# Altium PCB second.PcbDoc (continued)
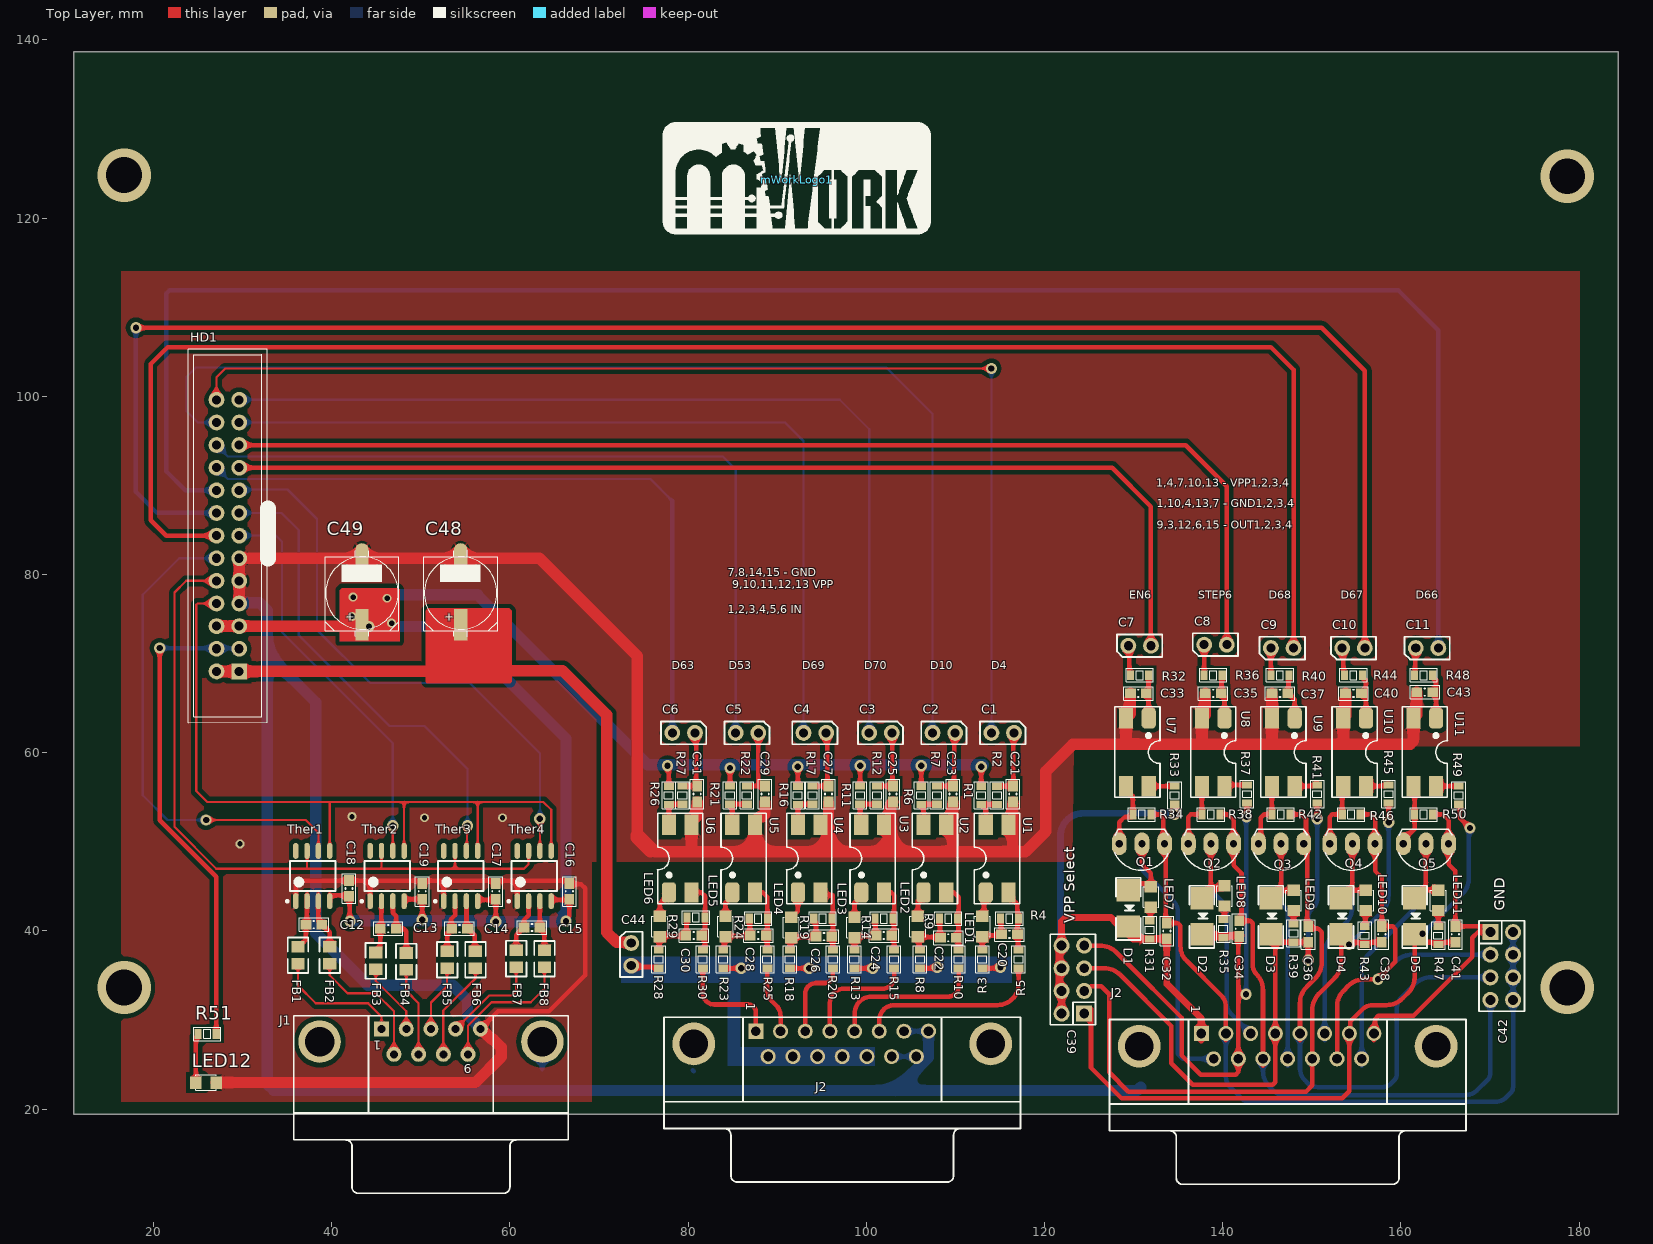
[diagram p0: Top Layer view]
## Footprints (in the part's own frame and the unit in brackets; to place one, negate y for a bottom-side part, rotate by r counter-clockwise, add the part's x,y. Pads: shape width x height; smd on the part's side, far side on the other; paste and mask are expansions set on the pad) (continued)

## Part data
C1 C2 C3 C4 C5 C6 C7 C8 C9 C10 C11: "WR-PHD 2.54 mm Angled Socket Header", Manufacturer="W¨¹rth Elektronik eiSos GmbH", partNo=613002143121, ComponentLink1 Description=Manufacturer, ComponentLink1URL=http://www.we-online.com, ComponentLink2 Description=Datasheet, ComponentLink2URL=http://katalog.we-online.de/em/datasheet/6130xx143121.pdf, Created by="Karrer Zheng", Created Date="29 March 2013", NoPins=02
C12 C13 C14 C15 C16 C17 C18 C19 C45: library part CN
C39 C42: "WR-PHD 2.54 mm Dual Socket Header", Manufacturer="W¨¹rth Elektronik eiSos GmbH", partNo=61300821821, ComponentLink1 Description=Manufacturer, ComponentLink1URL=http://www.we-online.com, ComponentLink2 Description=Datasheet, ComponentLink2URL=http://katalog.we-online.de/em/datasheet/6130xx21821.pdf, Created by="Karrer Zheng", Created Date="29 March 2013", NoPins=08
C44: library part JP2, "WR-PHD 2.54 mm Angled Socket Header", Manufacturer="W¨¹rth Elektronik eiSos GmbH", partNo=613002143121, ComponentLink1 Description=Manufacturer, ComponentLink1URL=http://www.we-online.com, ComponentLink2 Description=Datasheet, ComponentLink2URL=http://katalog.we-online.de/em/datasheet/6130xx143121.pdf, Created by="Karrer Zheng", Created Date="29 March 2013", NoPins=02
C48 C49: "Polarized Capacitor (Axial)", LatestRevisionDate=17-Jul-2002, LatestRevisionNote="Re-released for DXP Platform.", PackageReference=POLAR0.8, Published=8-Jun-2000, Publisher="Altium Limited"
D1 D2 D3 D4 D5: "Default Diode", Code - JEDEC=DO-214-AB, ComponentLink1Description="ES1J - STMBL", ComponentLink1URL=https://banlinhkien.vn/goods-8089-es1j-do214-diode-1a-600v-sma-es1j-.html, Published=8-Jun-2000, Publisher="Altium Limited", Revision="July-2002: Re-released for DXP Platform."
HD1: "IDC 13x2"
J1: library part "CON 9 Male", "Connector, DB9 R/A Through-hole Male", Max Current=3A, Category=Connector, Connector type=Header, Mounting Technology=Through-Hole, Pin Count=9, Status=Unreleased
J2 J2: library part DB15, "Receptacle Assembly, 15 Position, Right Angle", PackageDocument=O, DatasheetDocument=1-Sep-99, Gender=Receptacle, LatestRevisionDate=17-Jul-2002, LatestRevisionNote="Re-released for DXP Platform.", Orientation="Right Angle", PackageReference=788757, Positions=15, Published=15-Jun-2001, Publisher="Altium Limited"
LED1 LED2 LED3 LED4 LED5 LED6 LED7 LED8 LED9 LED10 LED11 LED12: library part "LED SMD"
Q1 Q2 Q3 Q4 Q5: "NPN 600mW, ECB"
R1 R2 R5 R6 R7 R10 R11 R12 R15 R16 R17 R20 R21 R22 R25 R26 R27 R30 R31 R32 R33 R34 R35 R36 R37 R38 R39 R40 R41 R42 R43 R44 R45 R46 R47 R48 R49 R50 R51: library part R
U1 U2 U3 U4 U5 U6 U7 U8 U9 U10 U11: "Single Opto"
Ther1 Ther2 Ther3 Ther4: ComponentLink1Description=ADUM1201, ComponentLink1URL=https://thegioiic.com/products/adum1201arz

## Via types
v1: diameter 1.27, hole 0.711, Top Layer to Bottom Layer, 33 vias
v2: diameter 1, hole 0.6, Top Layer to Bottom Layer, 8 vias
v3: diameter 6, hole 4, Top Layer to Bottom Layer, tented both sides, 4 vias

## Nets (pads, with @x,y where several pads share a name; then routed paths per layer and width w, separated by ;. In a path a pad name is that pad's centre, name@x,y a point inside that pad or via, vN(x,y) a via of type N, cw(c..) or ccw(c..) an arc to the next point about the centre after c; other vN are vias at no path point)
+5: HD1.3 HD1.4 R51.2 | length 55.2
  Top Layer w0.508: v1(20.701,71.755) 20.701,52.442 27.051,46.092 R51.2
  Bottom Layer w0.508: v1(20.701,71.755) 28.688,71.755 29.196,71.247 HD1.3
+12: C44.1 C48.1 HD1.1 HD1.2 | length 80.5
  Top Layer w1.27: HD1.2 HD1.1 54.02,69.133 54.471,69.584 C48.1@54.471,73.233 ; C48.1@54.471,73.348 C48.1 59.632,69.215 65.913,69.215 70.866,64.262 70.866,39.864 71.991,38.739 73.525,38.739 C44.1
CS_TC0: HD1.12 Ther1.6 | length 55.2
  Top Layer w0.254: v1(25.908,52.451) 37.096,52.451 38.512,51.035 Ther1.6@38.512,49.754
  Bottom Layer w0.254: v1(25.908,52.451) 21.59,52.451 18.796,55.245 18.796,77.724 22.905,81.833 HD1.12
CS_TC1: HD1.13 Ther2.6 | length 44.9
  Top Layer w0.254: Ther2.6@46.863,49.053 v1(46.863,51.816)
  Bottom Layer w0.254: HD1.13 33.737,84.373 34.417,83.693 34.417,73.533 46.863,61.087 v1(46.863,51.816)
CS_TC2: HD1.15 Ther3.6 | length 53.6
  Top Layer w0.254: Ther3.6@55.118,49.084 55.181,49.147 55.181,51.752 v1(55.245,51.816)
  Bottom Layer w0.254: HD1.15 34.372,86.913 36.322,84.963 36.322,73.152 46.482,62.992 50.419,62.992 55.245,58.166 v1(55.245,51.816)
CS_TC3: HD1.17 Ther4.6 | length 64.3
  Top Layer w0.254: Ther4.6@63.373,49.084 63.5,49.211 63.373,49.338 v1(63.373,52.578)
  Bottom Layer w0.254: HD1.17 29.704,89.535 35.052,89.535 38.354,86.233 38.354,73.787 44.323,67.818 55.499,67.818 63.373,59.944 v1(63.373,52.578)
D66: C11.2 HD1.18 | length 206.9
  Bottom Layer w0.508: HD1.18 23.577,89.453 21.463,91.567 21.463,111.589 21.761,111.887 159.734,111.887 164.211,107.41 C11.2
D67: C10.2 HD1.16 | length 199.5
  Top Layer w0.508: v1(18.034,107.696) 151.13,107.696 155.956,102.87 C10.2
  Bottom Layer w0.508: v1(18.034,107.696) 18.034,89.281 20.402,86.913 HD1.16
D68: C9.2 HD1.14 | length 187.1
  Top Layer w0.508: HD1.14 21.418,84.373 19.685,86.106 19.685,103.632 21.59,105.537 145.415,105.537 147.955,102.997 147.955,72.009 147.828,71.882 C9.2
D69: C4.2 HD1.23 | length 97
  Bottom Layer w0.254: HD1.23 90.887,97.073 92.964,94.996 C4.2
D70: C3.2 HD1.25 | length 106.2
  Bottom Layer w0.254: HD1.25 97.028,99.613 100.33,96.311 C3.2
EN6: C7.2 HD1.19 | length 119.8
  Top Layer w0.508: HD1.19 127.59,91.993 131.953,87.63 C7.2
GND: C16.1 C17.1 C18.1 C19.1 C21.1 C23.1 C25.1 C27.1 C29.1 C31.1 C33.1 C35.1 C37.1 C40.1 C43.1 C45.1 C46.1 C47.2 C48.2 C49.2 HD1.7 HD1.9 HD1.11 J1.5 J2.7@104.231,28.748 J2.8@106.989,28.753 J2.14@102.846,25.908 J2.15@105.616,25.908 LED12.2 Ther1.1 Ther2.1 Ther3.1 Ther4.1 U1.3 U2.3 U3.3 U4.3 U5.3 U6.3 U7.2 U8.2 U9.2 U10.2 U11.2 | length 567.8
  Top Layer w0.508: Ther1.1@35.972,44.104 35.99,44.122 35.99,45.134 36.515,45.659 C18.1@41.645,45.659 ; C18.1 44.323,45.659 ; Ther2.1@44.323,43.403 44.323,45.659 ; Ther3.1@52.578,43.434 52.578,45.659 ; J1.5 58.671,30.988 64.389,30.988 68.453,35.052 68.453,44.787 67.987,45.253 66.711,45.253 66.675,45.289 C16.1 66.675,45.363 66.379,45.659 60.833,45.659 ; Ther4.1@60.833,43.434 60.833,45.659 ; 44.323,45.659 52.578,45.659 ; 52.578,45.659 60.833,45.659
  Top Layer w1.27: LED12.2 56.134,22.987 59.037,25.89 59.037,26.942 58.139,27.84 57.961,27.84 56.799,29.002 J1.5 ; HD1.7 HD1.11 63.328,81.833 66.167,78.994 74.295,70.866 74.295,50.927 76.327,48.895 80.645,48.895 ; 74.193,50.743 74.193,50.458 75.755,48.895 ; C31.1 81.026,52.921 80.391,52.286 U6.3 80.391,49.149 80.645,48.895 ; C29.1 88.646,53.13 88.348,52.832 88.049,52.832 87.503,52.286 U5.3 87.503,48.895 ; C27.1 95.758,48.895 ; C25.1 102.743,54.229 102.743,48.895 ; C23.1 109.728,49.276 109.347,48.895 ; C21.1 116.459,49.149 116.205,48.895 ; C33.1 129.653,64.375 U7.2 129.159,61.258 129.457,60.96 ; C35.1 138.049,64.262 U8.2 137.668,61.319 137.309,60.96 ; C37.1 U9.2 145.542,61.341 145.161,60.96 ; C40.1 153.797,64.135 U10.2 153.543,61.468 153.035,60.96 ; C43.1 161.798,64.262 U11.2 161.417,61.341 161.036,60.96 153.035,60.96 ; 80.645,48.895 87.503,48.895 ; 87.503,48.895 95.758,48.895 ; 95.758,48.895 102.743,48.895 ; 102.743,48.895 109.347,48.895 ; 109.347,48.895 116.205,48.895 ; 116.205,48.895 117.856,48.895 120.142,51.181 120.142,57.912 123.19,60.96 129.457,60.96 ; 129.457,60.96 137.309,60.96 ; 137.309,60.96 145.161,60.96 ; 145.161,60.96 153.035,60.96
  Bottom Layer w0.508: J2.14@102.846,25.908 105.616,25.908 106.338,25.185 ; J2.7@104.231,28.748 104.233,28.751 106.986,28.751 J2.8@106.989,28.753
  Bottom Layer w1.27: HD1.7 29.72,76.851 31.893,76.851 32.766,75.977 32.766,71.12 ; J1.5 56.685,29.116 55.245,30.556 55.245,32.258 53.594,33.909 44.069,33.909 38.227,39.751 38.227,65.659 32.766,71.12 ; J2.8@106.989,28.753 106.989,25.836 106.338,25.185 103.251,22.098 ; C47.2 130.429,22.098 103.251,22.098 ; 32.766,71.12 32.766,22.842 33.51,22.098 103.251,22.098
  other v2: 29.718,49.784 50.419,52.705 59.182,52.705 42.291,52.832
GND_O1: C32.1 C42.5 C42.6 C42.7 C42.8 J2.2@140.371,28.494 Q1.1 R34.1 | length 86
  Top Layer w0.508: R34.1 133.052,53.086 133.35,52.788 133.35,49.911 133.604,49.657 133.604,41.021 C32.1 134.957,40.894 135.255,40.596 135.255,38.326 ccw(c137.64,38.326) 135.954,36.64 139.891,32.703 cw(c138.731,31.543) 140.371,31.543 J2.2@140.371,28.494 ; J2.2@140.333,28.494 140.333,27.77 J2.2@140.371,27.732
  Bottom Layer w0.508: J2.2@140.371,27.732 140.371,23.622 ccw(c141.991,23.622) 140.845,22.477 ; 140.845,22.477 142.113,21.209 ccw(c143.033,22.129) 143.033,20.828 170.605,20.828 ccw(c170.605,22.562) 171.831,21.336 172.339,21.844 ccw(c171.726,22.457) 172.593,22.457 C42.5 C42.6 C42.7 C42.8
GND_O2: C34.1 C42.4 J2.11@144.526,25.654 Q2.1 R38.1 | length 68.9
  Top Layer w0.508: R38.1 140.589,53.086 141.224,52.451 141.224,47.371 142.113,46.482 142.113,41.148 143.085,41.148 143.383,40.85 143.383,36.189 ccw(c144.901,36.189) 143.827,35.116 ; 143.827,35.115 cw(c142.139,33.428) 144.526,33.428 144.526,25.654 J2.11@144.526,24.892
  Bottom Layer w0.508: J2.11@144.526,25.654 144.526,24.293 ccw(c147.066,24.293) 145.27,22.497 145.669,22.098 ccw(c146.895,23.324) 146.895,21.59 167.303,21.59 ccw(c167.303,23.324) 168.529,22.098 169.736,23.304 ccw(c168.969,24.071) 170.053,24.071 C42.4
GND_O3: C36.1 C42.3 J2.5@148.681,28.494 Q3.1 R42.1 | length 64.4
  Top Layer w0.508: R42.1 148.844,53.086 149.352,52.578 149.352,49.784 149.479,49.657 149.479,40.59 149.81,40.259 150.749,40.259 151.13,39.878 151.13,36.485 cw(c148.59,36.485) 150.386,34.689 149.425,33.728 ccw(c151.221,31.932) 148.681,31.932 148.681,28.494 J2.5@148.681,27.732
  Bottom Layer w0.508: J2.5@148.681,27.732 148.681,24.511 ccw(c150.434,24.511) 149.194,23.272 ; 149.194,23.272 149.495,22.971 ccw(c150.682,24.157) 150.682,22.479 157.957,22.479 ccw(c157.957,23.78) 158.877,22.86 159.258,23.241 ccw(c158.616,23.883) 159.524,23.883 159.524,31.225 cw(c161.434,31.225) 160.084,32.575 161.562,34.054 cw(c163.358,32.258) 163.358,34.798 C42.3
GND_O4: C38.1 C42.2 J2.14@152.836,25.654 Q4.1 R46.1 | length 48.1
  Top Layer w0.508: J2.14@152.836,25.654 152.836,31.515 cw(c155.376,31.515) 153.58,33.311 154.114,33.845 cw(c155.91,32.049) 155.91,34.589 v1(157.435,34.589) 159.385,36.539 159.385,40.215 159.087,40.513 C38.1 157.861,45.974 157.099,46.736 Q4.1 157.099,52.578 156.591,53.086 R46.1
  Bottom Layer w0.508: v1(157.435,34.589) 159.44,36.594 cw(c161.236,34.798) 160.565,37.248 cw(c161.236,34.798) 161.236,37.338 C42.2
GND_O5: C41.1 C42.1 J2.8@156.979,28.499 Q5.1 R50.1 | length 39.2
  Top Layer w0.508: J2.8@156.979,27.737 156.979,28.499 157.106,28.626 157.106,30.106 157.48,30.48 161.417,30.48 168.024,37.087 168.024,39.246 168.656,39.878 C42.1 170.053,39.883 169.423,40.513 C41.1 166.116,46.736 165.354,47.498 165.354,50.532 165.354,52.451 164.719,53.086 R50.1
IO_D4: C1.2 HD1.26 | length 130.8
  Top Layer w0.254: HD1.26 27.082,102.139 28.067,103.124 v1(114.046,103.124)
  Bottom Layer w0.254: C1.2 v1(114.046,103.124)
IO_D10: C2.2 HD1.24 | length 129.9
  Bottom Layer w0.254: HD1.24 27.001,97.155 26.919,97.073 24.974,97.073 23.749,98.298 23.749,102.213 24.787,103.251 102.235,103.251 107.442,98.044 C2.2
IO_D53: C5.2 HD1.22 | length 89
  Bottom Layer w0.254: HD1.22 28.352,93.263 83.88,93.263 85.344,91.799 C5.2
IO_D63: C6.2 HD1.20 | length 78.7
  Bottom Layer w0.254: HD1.20 28.352,90.723 75.774,90.723 78.232,88.265
  Bottom Layer w0.508: C6.2 78.232,88.265
MISO: HD1.10 Ther1.7 Ther2.7 Ther3.7 Ther4.7 | length 82
  Top Layer w0.254: HD1.10 23.667,79.293 22.352,77.978 22.352,51.689 27.051,46.99 37.211,46.99 ; Ther1.7@37.242,49.754 37.242,47.021 37.211,46.99 ; Ther2.7@45.593,49.053 45.593,47.117 45.466,46.99 ; Ther3.7@53.848,49.084 53.848,46.99 ; Ther4.7@62.103,49.084 62.103,47.498 61.595,46.99 53.848,46.99 ; 37.211,46.99 45.466,46.99 ; 45.466,46.99 53.848,46.99
NetC1_1: C1.1 C21.2 R2.1 | length 7.8
  Top Layer w0.508: R2.1 114.688,56.254 116.452,56.254 C21.2 116.522,56.325 116.522,62.167 C1.1
NetC2_1: C2.1 C23.2 R7.1 | length 7.9
  Top Layer w0.508: R7.1 C23.2 109.855,56.388 109.855,62.103 C2.1
NetC3_1: C3.1 C25.2 R12.1 | length 7.8
  Top Layer w0.508: R12.1 C25.2 102.933,56.325 102.933,62.167 C3.1
NetC4_1: C4.1 C27.2 R17.1 | length 7.9
  Top Layer w0.508: R17.1 C27.2 95.631,56.388 95.631,62.103 C4.1
NetC5_1: C5.1 C29.2 R22.1 | length 8.1
  Top Layer w0.508: R22.1 87.63,56.261 ; C5.1 87.884,56.515 87.63,56.261 ; C29.2 87.63,56.261
NetC6_1: C6.1 C31.2 R27.1 | length 7.7
  Top Layer w0.508: R27.1 C31.2 80.899,56.388 80.899,62.103 C6.1
NetC7_1: C7.1 R32.1 | length 3.4
  Top Layer w0.508: C7.1 129.54,71.882 129.54,68.834 R32.1
NetC8_1: C8.1 R36.1 | length 3.4
  Top Layer w0.508: R36.1 C8.1
NetC9_1: C9.1 R40.1 | length 3
  Top Layer w0.508: R40.1 C9.1
NetC10_1: C10.1 R44.1 | length 3.2
  Top Layer w0.508: C10.1 153.543,71.628 153.543,68.834 R44.1
NetC11_1: C11.1 R48.1 | length 3.1
  Top Layer w0.508: R48.1 161.607,68.77 161.607,71.691 C11.1
NetC12_1: C12.1 FB2.2 Ther1.3 | length 6.5
  Top Layer w0.508: Ther1.3@38.512,44.104 38.512,41.037 38.843,40.706 C12.1 38.943,40.706 39.782,39.867 FB2.2
NetC12_2: C12.2 FB1.2 Ther1.2 | length 6.4
  Top Layer w0.508: FB1.2 36.326,38.227 37.115,39.016 C12.2 37.225,40.815 37.225,44.086 Ther1.2@37.242,44.104
NetC13_1: C13.1 FB4.2 Ther2.3 | length 7
  Top Layer w0.508: Ther2.3@46.863,43.403 46.863,42.037 47.244,41.656 C13.1 48.089,40.259 48.387,39.961 FB4.2
NetC13_2: C13.2 FB3.2 Ther2.2 | length 6.1
  Top Layer w0.508: FB3.2 45.058,37.587 45.466,37.995 C13.2 45.575,40.368 45.575,43.385 Ther2.2@45.593,43.403
NetC14_1: C14.1 FB6.2 Ther3.3 | length 6.2
  Top Layer w0.508: Ther3.3@55.118,43.434 55.136,43.416 55.136,40.368 C14.1 55.295,40.259 56.057,39.497 56.057,37.791 FB6.2
NetC14_2: C14.2 FB5.2 Ther3.2 | length 6.1
  Top Layer w0.508: FB5.2 52.959,39.801 53.417,40.259 53.417,41.352 53.848,41.783 Ther3.2@53.848,43.434
NetC15_1: C15.1 FB8.2 Ther4.3 | length 5.8
  Top Layer w0.508: Ther4.3@63.373,43.434 C15.1 63.423,40.386 63.719,40.09 63.719,40.04 63.881,39.878 FB8.2
NetC15_2: C15.2 FB7.2 Ther4.2 | length 6.4
  Top Layer w0.508: FB7.2 60.706,39.547 61.468,40.309 61.468,40.513 C15.2 61.595,41.275 62.103,41.783 Ther4.2@62.103,43.434
NetC20_1: C20.1 R4.2 R5.2 U1.2 | length 7
  Top Layer w0.508: U1.2 115.951,43.98 116.967,42.964 C20.1 117.03,39.56 117.03,37.91 R5.2
NetC20_2: C20.2 LED1.1 R3.2 R4.1 | length 5.6
  Top Layer w0.508: R3.2 LED1.1 113.157,39.497 115.062,39.497 115.126,39.56 115.126,41.338 R4.1
NetC22_1: C22.1 R9.2 R10.2 U2.2 | length 7.6
  Top Layer w0.508: U2.2 109.811,44.323 110.363,43.771 R10.2
NetC22_2: C22.2 LED2.1 R8.2 R9.1 | length 6.3
  Top Layer w0.508: LED2.1 LED2.1@105.855,39.306 ; R8.2 105.918,37.973 105.918,39.243 LED2.1@105.855,39.306 ; R9.1 108.267,41.338 C22.2@108.267,39.306 ; C22.2 C22.2@108.267,39.306 ; LED2.1@105.855,39.306 C22.2@108.267,39.306
NetC24_1: C24.1 R14.2 R15.2 U3.2 | length 7.4
  Top Layer w0.508: U3.2 102.826,44.323 103.124,44.025 R15.2
NetC24_2: C24.2 LED3.1 R13.2 R14.1 | length 5.8
  Top Layer w0.508: R13.2 LED3.1 98.806,39.37 100.965,39.37 101.028,39.433 101.028,41.338 R14.1
NetC26_1: C26.1 R19.2 R20.2 U4.2 | length 7.7
  Top Layer w0.508: U4.2 95.167,44.025 96.266,44.025 R20.2
NetC26_2: C26.2 LED4.1 R18.2 R19.1 | length 6.4
  Top Layer w0.508: R18.2 91.504,37.91 91.504,39.179 LED4.1 91.63,39.306 94.297,39.306 C26.2 94.361,40.998 94.107,41.252 R19.1
NetC28_1: C28.1 R24.2 R25.2 U5.2 | length 7.7
  Top Layer w0.508: U5.2 87.63,44.196 87.757,44.323 88.392,44.323 88.9,43.815 R24.2 R25.2
NetC28_2: C28.2 LED5.1 R23.2 R24.1 | length 6.4
  Top Layer w0.508: R23.2 84.074,37.973 84.074,39.243 LED5.1 84.264,39.433 86.931,39.433 C28.2 86.931,39.56 86.931,41.338 R24.1
NetC30_1: C30.1 R29.2 R30.2 U6.2 | length 7.9
  Top Layer w0.508: U6.2 81.49,44.323 81.915,43.898 R29.2 81.915,37.992 81.769,37.846 R30.2
NetC30_2: C30.2 LED6.1 R28.2 R29.1 | length 6.6
  Top Layer w0.508: R28.2 76.772,37.91 76.772,39.306 LED6.1 76.898,39.433 79.692,39.433 C30.2 79.819,39.56 79.819,41.465 R29.1
NetC33_2: C33.2 R32.2 U7.1 | length 4.8
  Top Layer w0.508: U7.1 R32.2
NetC35_2: C35.2 R36.2 U8.1 | length 5.1
  Top Layer w0.508: R36.2 139.891,68.644 139.891,66.739 C35.2 139.877,66.675 140.173,66.379 140.173,66.329 140.208,66.294 U8.1
NetC37_2: C37.2 R40.2 U9.1 | length 5.2
  Top Layer w0.508: R40.2 147.383,68.644 147.383,66.739 C37.2 147.37,66.675 148.082,65.963 U9.1
NetC40_2: C40.2 R44.2 U10.1 | length 5
  Top Layer w0.508: R44.2 155.702,68.557 156.083,68.176 U10.1
NetC43_2: C43.2 R48.2 U11.1 | length 5
  Top Layer w0.508: R48.2 163.576,68.557 163.957,68.176 U11.1
NetC44_2: C44.2 J2.9@88.996,25.908 J2.10@91.766,25.908 J2.11@94.536,25.908 J2.12@97.306,25.908 J2.13@100.076,25.908 R3.1 R8.1 R13.1 R18.1 R23.1 R28.1 | length 80.9
  Top Layer w0.508: C44.2 73.766,35.958 76.564,35.958 R28.1 R28.1@76.581,35.687 ; R23.1 v1(85.979,35.814) ; R18.1 v1(93.599,35.814) ; R13.1 v1(100.711,35.814) ; R8.1 v1@107.617,35.814 ; R3.1 114.935,35.814 v1(115.062,35.941)
  Bottom Layer w0.508: C44.2@72.86,35.721 C44.2@73.622,35.721
  Bottom Layer w1.27: C44.2 v1@85.979,36.102 ; J2.13@100.076,25.908 97.306,25.908 94.536,25.908 91.766,25.908 88.996,25.908 85.598,25.908 85.09,26.416 85.09,34.925 86.233,36.068 93.345,36.068 v1(93.599,35.814) 93.853,36.068 100.457,36.068 v1(100.711,35.814) ; v1@100.711,36.102 107.95,36.102 114.901,36.102 v1(115.062,35.941)
  other v1: 107.95,35.941
NetC45_2: C45.2 J1.10 | length 4
  Bottom Layer w0.508: C45.2 63.634,24.518 63.634,27.576 J1.10
  Bottom Layer w1.27: J1.10@62.696,27.582 J1.10
NetC46_2: C46.2 J2.16@80.646,27.328 | length 0.4
  Bottom Layer w0.508: C46.2@80.506,24.396 C46.2 ; J2.16@80.507,27.19 J2.16@80.646,27.328
NetC47_1: C47.1 J2.16@130.636,27.074
NetFB1_1: FB1.1 J1.1 | length 14.6
  Top Layer w0.254: FB1.1 36.226,33.878 38.227,31.877 44.093,31.877 45.605,30.365 J1.1
NetFB2_1: FB2.1 J1.6 | length 15
  Top Layer w0.254: FB2.1 39.782,35.021 41.783,33.02 44.958,33.02 46.99,30.988 J1.6
NetFB3_1: FB3.1 J1.2 | length 8.1
  Top Layer w0.254: FB3.1 44.958,34.417 48.375,31 J1.2
NetFB4_1: FB4.1 J1.7 | length 10
  Top Layer w0.254: FB4.1 48.387,33.274 49.76,31.901 J1.7
NetFB5_1: FB5.1 J1.3 | length 7.6
  Top Layer w0.254: J1.3 51.145,31.968 52.959,33.782 FB5.1
NetFB6_1: FB6.1 J1.8 | length 11.1
  Top Layer w0.254: J1.8 52.53,31.067 56.134,34.671 FB6.1
NetFB7_1: FB7.1 J1.4 | length 11.3
  Top Layer w0.254: J1.4 57.679,32.766 60.325,32.766 60.706,33.147 FB7.1
NetFB8_1: FB8.1 J1.9 | length 15.9
  Top Layer w0.254: J1.9 55.3,29.351 57.953,32.004 62.357,32.004 63.881,33.528 FB8.1
NetJ2_1: J2.1@87.611,28.748 R30.1 | length 12.1
  Top Layer w0.508: R30.1 81.661,33.02 ccw(c82.931,33.02) 82.931,31.75 86.741,31.75 cw(c86.741,30.88) 87.611,30.88 J2.1@87.611,28.748
NetJ2_2: J2.2@90.381,28.748 R25.1 | length 7.5
  Top Layer w0.508: R25.1 88.9,33.347 ccw(c90.61,33.347) 89.4,32.139 89.902,31.637 cw(c88.744,30.48) 90.381,30.48 J2.2@90.381,28.748
NetJ2_3: J2.3@93.151,28.748 R20.1 | length 9.3
  Top Layer w0.508: J2.3@93.151,28.748 93.151,32.953 cw(c94.361,32.953) 94.361,34.163 95.377,34.163 ccw(c95.377,35.052) 96.266,35.052 R20.1
NetJ2_4: J2.4@95.921,28.748 R15.1 | length 13.1
  Top Layer w0.508: J2.4@95.921,28.748 95.921,32.004 cw(c97.445,32.004) 96.107,32.734 cw(c97.445,32.004) 96.715,33.342 cw(c97.445,32.004) 97.445,33.528 101.854,33.528 ccw(c101.854,34.798) 102.326,33.619 ccw(c101.854,34.798) 103.033,34.326 ccw(c101.854,34.798) 103.124,34.798 R15.1
NetJ2_5: J2.5@98.691,28.748 R10.1 | length 17.4
  Top Layer w0.508: J2.5@98.691,28.748 98.691,30.746 cw(c100.584,30.746) 100.584,32.639 109.22,32.639 ccw(c109.22,33.782) 109.355,32.647 ccw(c109.22,33.782) 110.355,33.647 ccw(c109.22,33.782) 110.363,33.782 R10.1
NetJ2_6: J2.6@101.461,28.748 R5.1 | length 21
  Top Layer w0.508: J2.6@101.461,28.748 101.473,28.76 101.461,28.772 101.461,29.972 cw(c103.176,29.972) 101.572,30.579 cw(c103.176,29.972) 102.568,31.575 cw(c103.176,29.972) 103.176,31.686 114.745,31.686 ccw(c114.745,34.036) 117.094,34.036 R5.1
NetLED1_2: LED1.2 U1.1 | length 2.8
  Top Layer w0.508: LED1.2 113.221,41.846 113.221,44.133 U1.1
NetLED2_2: LED2.2 U2.1 | length 2.9
  Top Layer w0.508: LED2.2 105.791,43.266 106.426,43.901 U2.1
NetLED3_2: LED3.2 U3.1 | length 3.1
  Top Layer w0.508: LED3.2 98.679,43.139 99.441,43.901 U3.1
NetLED4_2: LED4.2 U4.1 | length 3.1
  Top Layer w0.508: LED4.2 91.63,41.529 92.329,42.227 U4.1
NetLED5_2: LED5.2 U5.1 | length 3
  Top Layer w0.508: LED5.2 84.201,43.139 84.963,43.901 U5.1
NetLED6_2: LED6.2 U6.1 | length 3.1
  Top Layer w0.508: LED6.2 76.835,43.053 77.133,43.351 77.143,43.351 77.851,44.059 U6.1
NetLED7_1: LED7.1 R31.1 | length 1.6
  Top Layer w0.508: R31.1 131.889,41.212 131.889,42.608 LED7.1
NetLED8_1: LED8.1 R35.1 | length 1.5
  Top Layer w0.508: R35.1@140.208,41.275 LED8.1
NetLED9_1: LED9.1 R39.1 | length 1.5
  Top Layer w0.508: R39.1 LED9.1
NetLED10_1: LED10.1 R43.1 | length 1.8
  Top Layer w0.508: R43.1 156.019,40.576 156.019,42.227 LED10.1
NetLED11_1: LED11.1 R47.1 | length 1.8
  Top Layer w0.508: R47.1 LED11.1
NetLED12_1: LED12.1 R51.1 | length 5.6
  Top Layer w0.508: LED12.1 24.765,28.044 25.019,28.298 R51.1
NetQ1_3: Q1.3 R34.2 U7.3 | length 7.9
  Top Layer w0.508: Q1.3 128.397,52.197 128.99,52.79 129.775,52.79 129.921,52.936 R34.2 129.921,55.156 129.159,55.918 U7.3
NetQ2_3: Q2.3 R38.2 U8.3 | length 7.8
  Top Layer w0.508: Q2.3 136.144,52.788 136.442,53.086 R38.2 U8.3
NetQ3_3: Q3.3 R42.2 U9.3 | length 7.5
  Top Layer w0.508: Q3.3@144.272,49.784 144.272,52.705 144.653,53.086 R42.2 145.522,56.241 U9.3
NetQ4_3: Q4.3 R46.2 U10.3 | length 7.8
  Top Layer w0.508: Q4.3 152.019,52.788 152.317,53.086 R46.2 153.416,56.134 U10.3
NetQ5_3: Q5.3 R50.2 U11.3 | length 7.1
  Top Layer w0.508: Q5.3 160.274,50.216 161.544,51.486 R50.2 161.544,56.134 U11.3
NetR1_2: R1.2 R2.2 U1.4 | length 4.2
  Top Layer w0.508: R1.2 R1.2@113.053,54.215 ; U1.4 113.411,53.857 R1.2@113.053,54.215 ; R2.2 R1.2@113.053,54.215
NetR6_2: R6.2 R7.2 U2.4 | length 4.2
  Top Layer w0.508: U2.4 106.426,54.069 106.28,54.215 R6.2 106.179,54.222 107.943,54.222 R7.2
NetR11_2: R11.2 R12.2 U3.4 | length 4.2
  Top Layer w0.508: U3.4 99.314,52.07 R11.2 R12.2
NetR16_2: R16.2 R17.2 U4.4 | length 4.1
  Top Layer w0.508: U4.4 R16.2 R17.2@94.107,54.215
NetR21_2: R21.2 R22.2 U5.4 | length 4.1
  Top Layer w0.508: U5.4 84.963,54.083 84.817,54.229 R22.2
NetR26_2: R26.2 R27.2 U6.4 | length 3.8
  Top Layer w0.508: U6.4 R26.2 77.858,54.222 79.368,54.222 R27.2
NetR33_1: R33.1 U7.4 | length 3.7
  Top Layer w0.508: U7.4@132.245,56.807 U7.4 R33.1
NetR37_1: R37.1 U8.4 | length 2.6
  Top Layer w0.508: U8.4 140.335,56.388 R37.1
NetR41_1: R41.1 U9.4 | length 2.7
  Top Layer w0.508: U9.4 150.091,56.261 150.472,56.642 R41.1@150.622,56.642
NetR45_1: R45.1 U10.4 | length 2.6
  Top Layer w0.508: U10.4 158.219,56.261 158.473,56.515 R45.1@158.623,56.515
NetR49_1: R49.1 U11.4 | length 2.5
  Top Layer w0.508: U11.4 R49.1
OUT1: D1.1 J2.9@138.986,25.654 LED7.2 Q1.2 | length 38.8
  Top Layer w0.508: D1.1@129.413,43.688 129.413,45.041 129.711,45.339 131.572,45.339 LED7.2 131.953,46.482 130.937,47.498 Q1.2
  Bottom Layer w0.508: Q1.2 130.937,47.222 ccw(c131.804,47.222) 131.19,46.61 134.493,43.307 cw(c133.362,42.176) 134.962,42.176 134.962,26.201 135.509,25.654 J2.9@138.986,25.654
OUT2: D2.1 J2.3@143.141,28.494 LED8.2 Q2.2 | length 32.6
  Top Layer w0.508: D2.1 137.688,43.688 138.684,44.684 Q2.2
  Top Layer w0.762: D2.1@137.688,43.688 137.718,43.688 138.861,44.831 139.954,44.831 LED8.2
  Bottom Layer w0.508: Q2.2 138.684,45.026 ccw(c139.768,45.026) 139.002,44.26 140.018,43.243 cw(c138.944,42.17) 140.462,42.17 140.462,31.877 ccw(c142.162,31.877) 140.96,30.675 J2.3@143.141,28.494
OUT3: D3.1 J2.12@147.296,25.654 LED9.2 Q3.2 | length 33.3
  Top Layer w0.508: D3.1 146.304,44.577 D3.1@146.354,44.577 ; Q3.2 146.558,44.781 D3.1@146.354,44.577 ; LED9.2 D3.1@146.354,44.577
  Bottom Layer w0.508: Q3.2 146.558,43.412 ccw(c147.425,43.412) 146.811,42.8 147.066,42.545 cw(c146.511,41.99) 147.296,41.99 147.296,25.654 J2.12@147.296,24.892
OUT4: D4.1 J2.6@151.451,28.494 LED10.2 Q4.2 | length 31.6
  Top Layer w0.508: D4.1 153.339,43.688 D4.1@154.228,44.577 ; Q4.2 154.559,44.908 D4.1@154.228,44.577 ; LED10.2 D4.1@154.228,44.577
  Bottom Layer w0.508: J2.6@151.451,27.732 151.451,28.494 151.451,37.496 cw(c153.991,37.496) 152.195,39.292 153.815,40.912 ccw(c152.019,42.708) 154.559,42.708 Q4.2
OUT5: D5.1 J2.15@155.606,25.654 LED11.2 Q5.2 | length 36.9
  Top Layer w0.508: D5.1 162.54,44.684 162.897,44.684 ; Q5.2 162.814,44.767 162.897,44.684 ; LED11.2@163.766,45.021 163.429,44.684 162.897,44.684 ; LED11.2 163.005,44.577 162.897,44.684
  Bottom Layer w0.508: J2.15@155.606,24.892 155.606,25.654 155.606,35.555 cw(c158.146,35.555) 156.35,37.351 162.07,43.071 ccw(c160.274,44.867) 162.814,44.867 Q5.2
SCK: HD1.8 Ther1.5 Ther2.5 Ther3.5 Ther4.5 | length 84.2
  Top Layer w0.254: HD1.8 26.91,76.581 26.738,76.753 24.959,76.753 24.81,76.605 24.81,55.708 26.035,54.483 39.751,54.483 ; Ther1.5@39.782,49.754 39.782,54.452 39.751,54.483 ; Ther2.5@48.133,49.053 48.133,54.483 ; Ther3.5@56.388,49.084 56.388,54.483 ; Ther4.5@64.643,49.084 64.643,53.594 63.754,54.483 56.388,54.483 ; 39.751,54.483 48.133,54.483 ; 48.133,54.483 56.388,54.483
STEP6: C8.2 HD1.21 | length 130.5
  Top Layer w0.508: HD1.21 135.845,94.533 140.462,89.916 C8.2
VCC: C16.2 C17.2 C18.2 C19.2 C49.1 HD1.5 HD1.6 R1.1 R6.1 R11.1 R16.1 R21.1 R26.1 Ther1.4 Ther2.4 Ther3.4 Ther4.4 | length 200.4
  Top Layer w0.508: Ther1.4@39.782,44.104 39.782,44.035 39.825,43.993 41.83,43.993 C18.2 42.005,43.817 42.005,41.15 v1(42.068,41.087) ; C49.1@44.069,74.041 v1(44.196,74.168) ; Ther2.4@48.133,43.403 48.133,43.519 48.175,43.561 C19.2 v1(50.165,41.275) ; Ther3.4@56.388,43.434 56.388,43.455 56.43,43.497 58.356,43.497 C17.2 v1(58.42,41.021) ; Ther4.4@64.643,43.434 64.643,43.455 64.685,43.497 66.611,43.497 C16.2 66.675,41.67 ; R26.1 v1@77.851,58.087 ; R21.1 v1(84.709,58.293) ; R16.1 v1(92.329,58.42) ; R11.1 v1(99.314,58.547) ; R6.1 v1(106.172,58.547) ; R1.1 v1(112.903,58.42)
  Top Layer w1.27: HD1.6 HD1.5 43.242,74.213 C49.1
  Bottom Layer w0.508: HD1.6 27.255,74.041 HD1.6@27.382,74.168 ; v1(50.165,41.275) 50.285,41.155 v1@50.546,40.894
  Bottom Layer w1.27: v1(42.068,41.087) 42.137,41.155 50.285,41.155 58.286,41.155 v1(58.42,41.021) 65.216,41.021 66.294,42.099 ; v1(66.294,41.083) 66.294,42.099 ; v1(112.903,58.42) 113.146,58.663 75.449,58.663 56.388,77.724 46.736,77.724 44.196,75.184 v1(44.196,74.168) 53.721,74.168 66.294,61.595 66.294,42.099
  other v1: 77.686,58.547
  other v2: 46.736,74.549 42.291,75.311 46.228,77.343 42.418,77.47
VCC_O1: C32.2 C39.5 C39.6 C39.7 C39.8 D1.2 J2.1@137.601,28.494 R31.2 R33.2 | length 63.9
  Top Layer w0.762: C39.8 C39.7 121.76,33.434 121.76,34.032 121.666,34.126 121.666,35.328 121.92,35.582 C39.6 121.76,35.974 121.76,36.572 121.666,36.666 121.666,37.868 121.92,38.122 C39.5 ; C39.5@121.92,38.717 121.92,41.083 122.366,41.529 127.458,41.529 129.363,39.624 129.413,39.624 129.921,39.116 R31.2 C32.2 133.781,39.116 133.562,38.897 133.731,38.897 133.731,34.036 137.601,30.166 137.601,28.494 J2.1@137.601,27.732 ; v1(134.62,53.086) R33.2
  Bottom Layer w0.762: C39.5@121.793,38.904 121.793,50.673 cw(c124.333,50.673) 124.333,53.213 v1@134.62,53.213
VCC_O2: C34.2 C39.4 D2.2 J2.10@141.756,25.654 R35.2 R37.2 | length 67.6
  Top Layer w0.508: C39.4 124.968,38.354 126.264,38.354 cw(c126.264,35.814) 128.06,37.61 129.057,36.612 135.382,30.288 135.382,26.035 137.541,23.876 141.458,23.876 141.756,24.174 141.756,25.654 141.756,32.893 ; C34.2@141.732,39.116 141.756,39.092 141.756,32.893 ; v1(142.621,32.893) 141.756,32.893 ; v1(142.672,52.82) 142.748,52.896 R37.2
  Top Layer w0.762: D2.2 137.814,39.478 R35.2@140.208,39.478 ; R35.2@140.208,39.262 140.377,39.262 140.593,39.478 C34.2@141.713,39.478 ; C34.2@141.84,39.478 C34.2@142.094,39.478
  Bottom Layer w0.508: v1(142.621,32.893) 142.621,52.769 v1(142.672,52.82)
VCC_O3: C36.2 C39.3 D3.2 J2.4@145.911,28.494 R39.2 R41.2 | length 70.1
  Top Layer w0.508: C39.3 126.71,35.814 cw(c126.71,33.274) 127.902,35.517 cw(c126.71,33.274) 128.506,35.07 134.239,29.337 134.239,25.146 136.652,22.733 145.613,22.733 145.911,23.031 145.911,28.494 145.911,38.747 D3.2@145.225,39.433 ; D3.2 146.304,38.735 R39.2 C36.2@149.098,38.735 ; v1(149.606,36.703) 149.606,37.669 149.604,37.671 149.604,38.733 C36.2 ; v1(150.622,52.578) R41.2
  Bottom Layer w0.508: v1(149.606,36.703) 149.606,41.636 cw(c150.574,41.636) 149.889,42.32 150.173,42.604 ccw(c149.089,43.688) 150.622,43.688 v1(150.622,52.578)
VCC_O4: C38.2 C39.2 D4.2 J2.13@150.066,25.654 R43.2 R45.2 | length 75.8
  Top Layer w0.508: 125.222,33.788 126.365,33.788 127.254,32.899 127.254,24.13 129.413,21.971 149.352,21.971 150.066,22.685 150.066,24.734 149.987,24.813 150.066,24.892 150.066,25.654 150.066,31.158 cw(c152.606,31.158) 150.81,32.954 152.545,34.689 ccw(c150.749,36.485) 153.289,36.485 D4.2 154.178,38.735 C38.2 ; v1(158.623,52.197) R45.2
  Bottom Layer w0.508: v1(154.178,38.481) 157.879,42.182 ccw(c156.083,43.978) 158.623,43.978 v1(158.623,52.197)
VCC_O5: C39.1 C41.2 D5.2 J2.7@154.221,28.494 R47.2 R49.2 | length 81.9
  Top Layer w0.508: C39.1@125.222,31.248 125.222,24.638 128.651,21.209 153.416,21.209 154.221,22.014 154.221,28.494 154.307,28.58 154.307,29.845 155.64,31.177 cw(c156.866,29.951) 156.866,31.685 158.395,31.685 ccw(c158.395,34.225) 160.191,32.429 160.8,33.038 ccw(c159.004,34.834) 161.544,34.834 D5.2 D5.2@161.956,39.212 ; v1(162.433,39.689) 162.433,38.735 C41.2 ; R49.2 166.624,54.102 166.624,52.705 v1(167.767,51.562)
  Bottom Layer w0.508: v1(162.433,39.689) 166.896,44.152 ccw(c165.1,45.948) 167.64,45.948 v1@167.64,51.5
pads on no net: J1.11 J2.17 Ther1.8 Ther2.8 Ther3.8 Ther4.8
copper on no net:
  other v3: 16.7,33.655 178.689,33.655 178.689,124.714 16.7,124.841

## Polygon pours and split planes (outlines as drawn)
GND on Bottom Layer "GND_L02_P000" (solid, remove dead copper, pour order 0): 16.256,21.336 69.088,21.336 69.088,48.26 119.159,48.26 119.34,61.214 179.982,61.214 179.982,113.919 16.256,113.919
GND on Top Layer "GND_L01_P001" (solid, remove dead copper, pour order 1): 16.376,20.856 69.208,20.856 69.208,47.78 123.105,47.78 123.286,60.734 180.102,60.734 180.102,114.046 16.376,114.046

## Other copper
Top Layer:
  region net +12: 50.546,75.946 50.8,76.2 59.944,76.2 60.198,75.946 60.198,67.945 60.071,67.818 50.673,67.818 50.546,67.945
  region: 51.435,77.978
  region net VCC: 42.926,72.517 47.625,72.517 47.625,78.359 47.498,78.486 41.148,78.486 40.894,78.232 40.894,72.517
Bottom Layer:
  region net NetC44_2: 72.517,37.084 116.332,37.084 116.332,34.163 85.852,34.163 85.852,26.924 100.965,26.924 100.965,24.892 84.455,24.892 84.455,34.163 72.517,34.163
  region net VCC: 42.926,72.517 47.625,72.517 47.625,78.359 47.498,78.486 41.148,78.486 40.894,78.232 40.894,72.517

## Silkscreen, mask and mechanical layers (free items; w line width, h text height)
Top Overlay:
  lines w1.778: 32.839,81.812 32.848,87.4
  text "1,4,7,10,13 - VPP1,2,3,4" at 132.543,89.531 h1.52
  text "1,10,4,13,7 - GND1,2,3,4" at 132.58,87.204 h1.52
  text "9,3,12,6,15 - OUT1,2,3,4" at 132.623,84.809 h1.52
  text "7,8,14,15 - GND" at 84.455,79.502 h1.52
  text "9,10,11,12,13 VPP" at 84.954,78.121 h1.52
  text "EN6" at 129.532,76.972 h1.52
  text "STEP6" at 137.26,76.96 h1.52
  text "D68" at 145.153,76.972 h1.52
  text "D67" at 153.281,76.972 h1.52
  text "D66" at 161.663,76.972 h1.52
  text "1,2,3,4,5,6 IN" at 84.455,75.311 h1.52
  text "D63" at 78.162,69.012 h1.52
  text "D53" at 84.555,69.012 h1.52
  text "D69" at 92.81,69.012 h1.52
  text "D70" at 99.795,69.012 h1.52
  text "D10" at 107.161,69.012 h1.52
  text "D4" at 114.038,69.013 h1.52
  text "GND" at 172.069,42.283 h2 r90
  text "VPP Select" at 123.809,40.886 h2 r90
Mechanical 1:
  lines w0.5: 11.017,19.431 184.372,19.431 184.372,138.684 11.017,138.684 11.017,19.431

## Text inside footprints (layer, text, board x,y; h text height)
C48: Top Overlay "+" at 53.571,74.707 h0.89 r90
C49: Top Overlay "+" at 42.504,74.707 h0.89 r90
J1: Top Overlay "1" at 45.59,27.662 h1.02 r180; Top Overlay "9" at 55.699,25.067 h1.02 r180
J2: Top Overlay "1" at 136.501,31.671 h1.02 r270
J2: Top Overlay "1" at 86.511,31.925 h1.02 r270